# Altium PCB PCB1.PcbDoc (part 5 of 6) (continued)
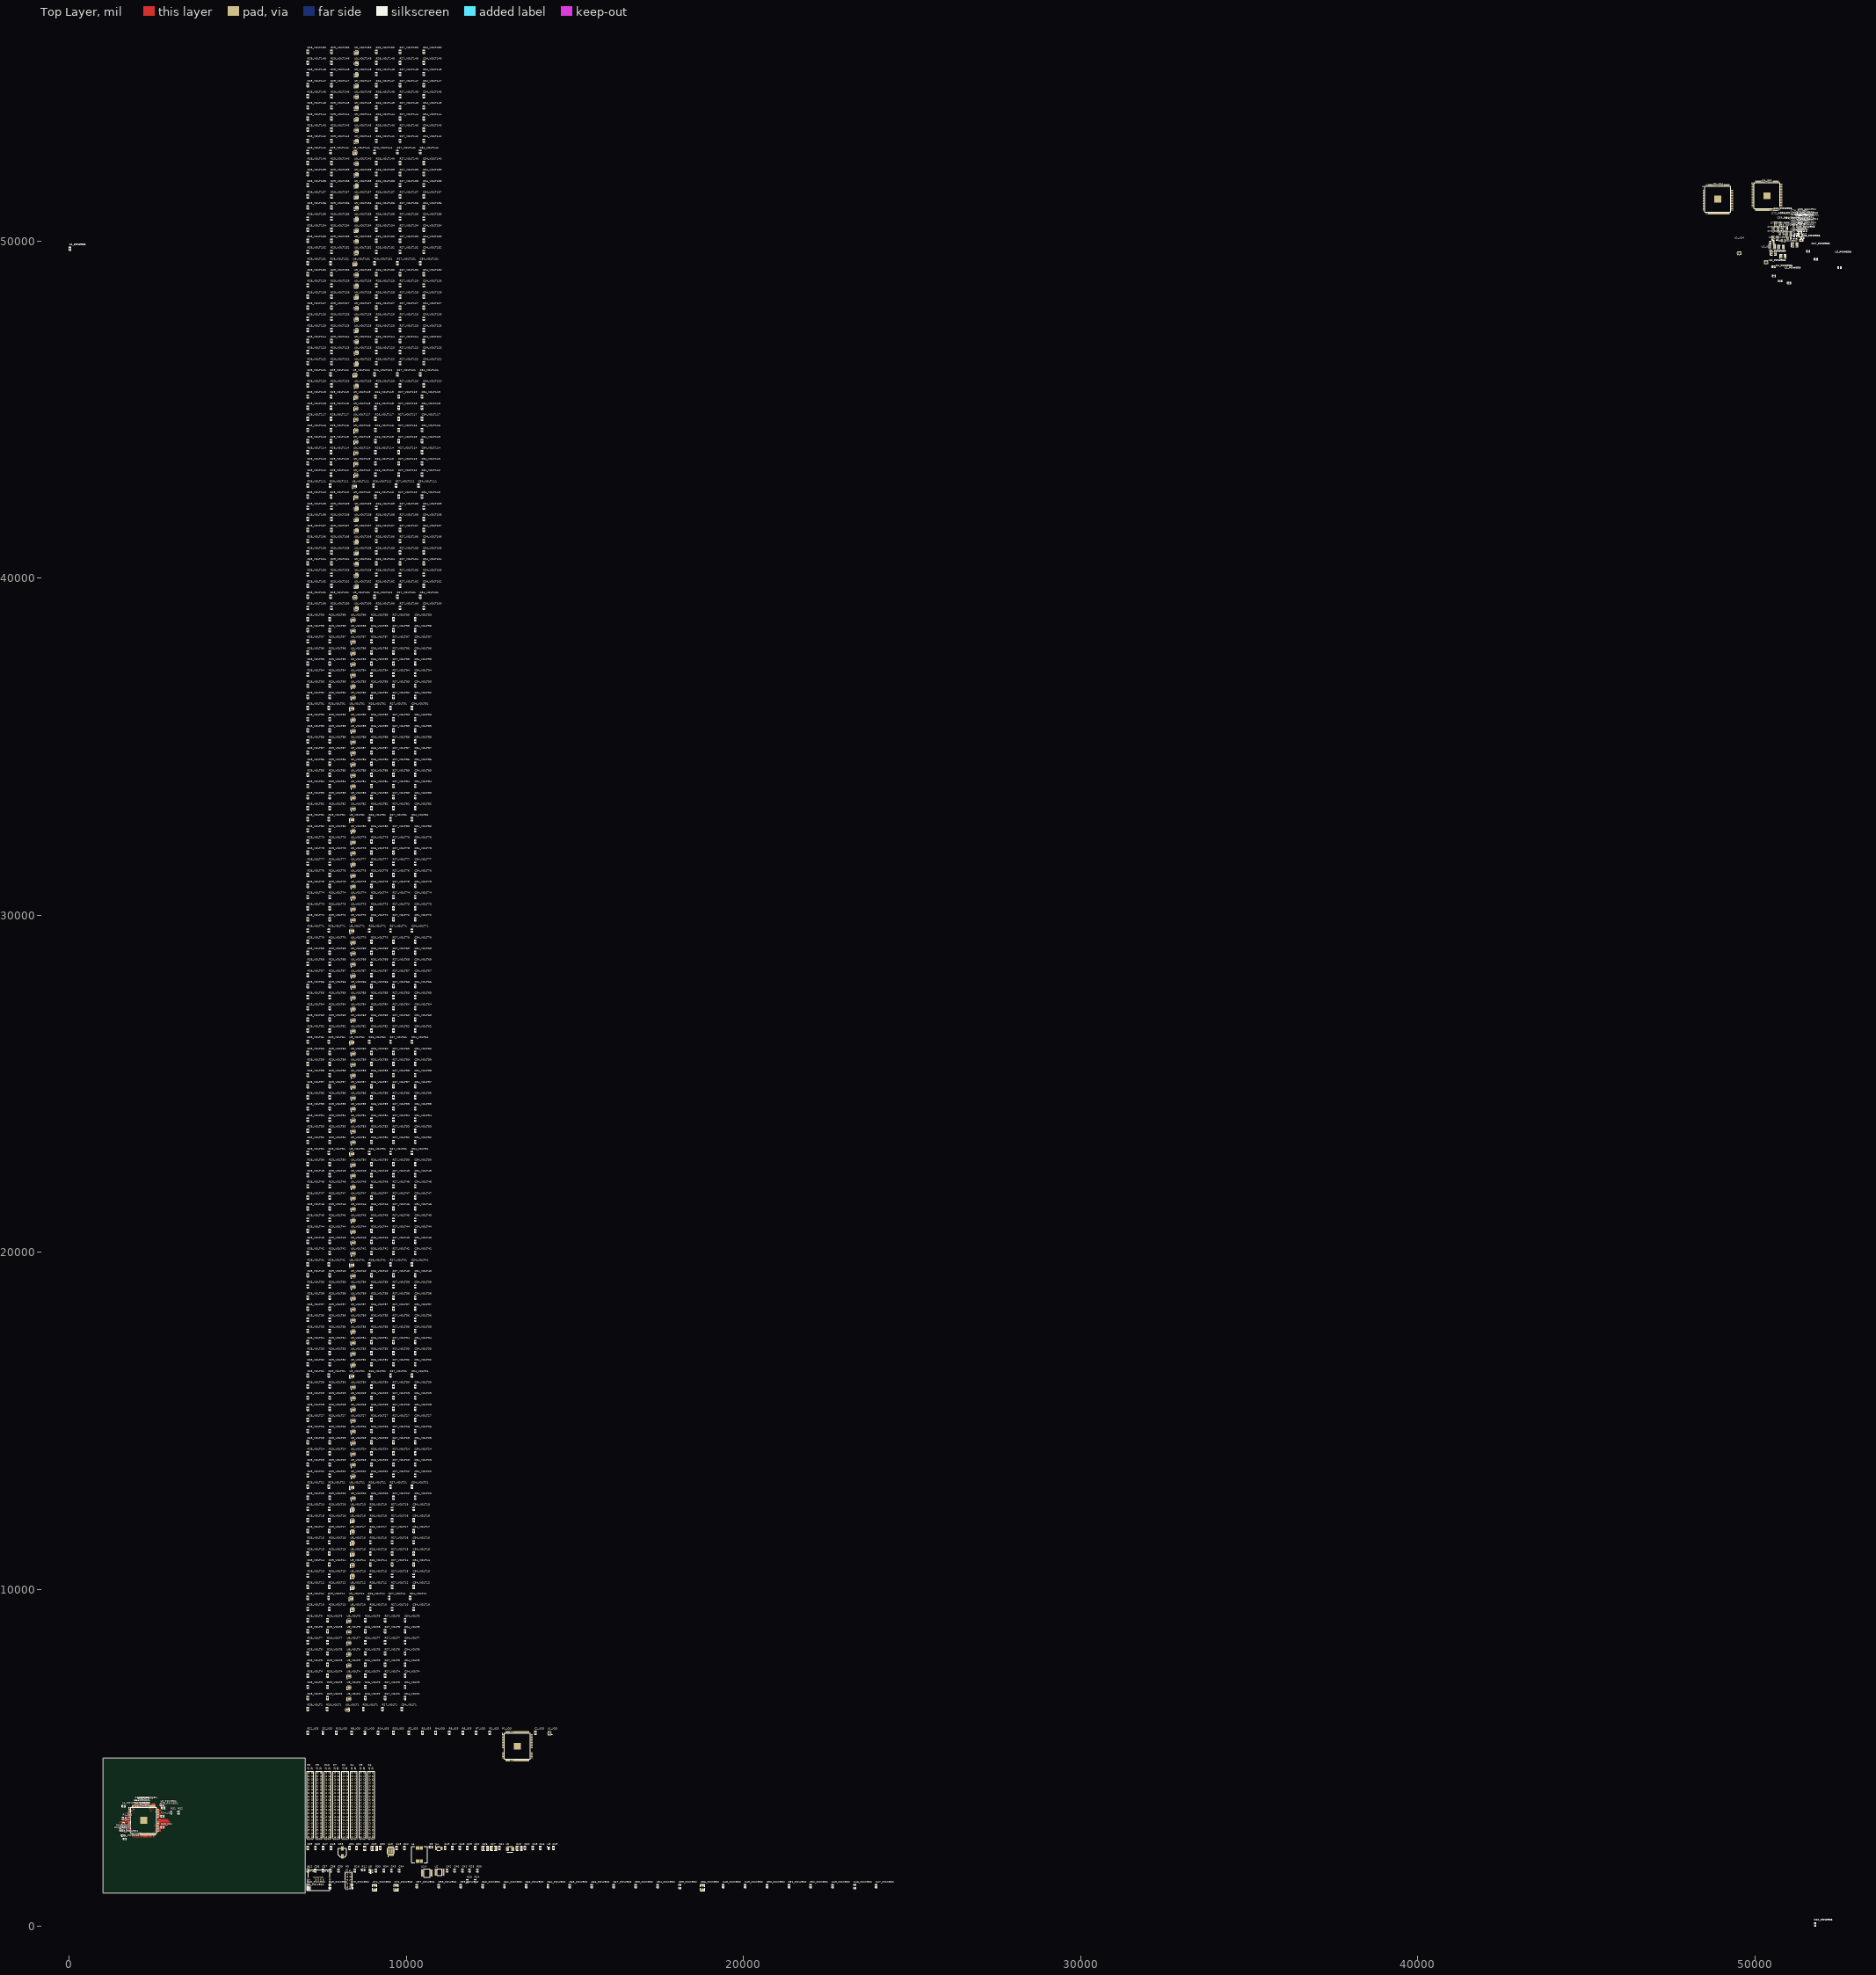
[diagram p0: Top Layer view]
## Nets (pads, with @x,y where several pads share a name; then routed paths per layer and width w, separated by ;. In a path a pad name is that pad's centre, name@x,y a point inside that pad or via, vN(x,y) a via of type N, cw(c..) or ccw(c..) an arc to the next point about the centre after c; other vN are vias at no path point) (continued)
NetR27_VOLT71_1: R27_VOLT71.1 U9_VOLT71.7
NetR27_VOLT72_1: R27_VOLT72.1 U9_VOLT72.7
NetR27_VOLT73_1: R27_VOLT73.1 U9_VOLT73.7
NetR27_VOLT74_1: R27_VOLT74.1 U9_VOLT74.7
NetR27_VOLT75_1: R27_VOLT75.1 U9_VOLT75.7
NetR27_VOLT76_1: R27_VOLT76.1 U9_VOLT76.7
NetR27_VOLT77_1: R27_VOLT77.1 U9_VOLT77.7
NetR27_VOLT78_1: R27_VOLT78.1 U9_VOLT78.7
NetR27_VOLT79_1: R27_VOLT79.1 U9_VOLT79.7
NetR27_VOLT80_1: R27_VOLT80.1 U9_VOLT80.7
NetR27_VOLT81_1: R27_VOLT81.1 U9_VOLT81.7
NetR27_VOLT82_1: R27_VOLT82.1 U9_VOLT82.7
NetR27_VOLT83_1: R27_VOLT83.1 U9_VOLT83.7
NetR27_VOLT84_1: R27_VOLT84.1 U9_VOLT84.7
NetR27_VOLT85_1: R27_VOLT85.1 U9_VOLT85.7
NetR27_VOLT86_1: R27_VOLT86.1 U9_VOLT86.7
NetR27_VOLT87_1: R27_VOLT87.1 U9_VOLT87.7
NetR27_VOLT88_1: R27_VOLT88.1 U9_VOLT88.7
NetR27_VOLT89_1: R27_VOLT89.1 U9_VOLT89.7
NetR27_VOLT90_1: R27_VOLT90.1 U9_VOLT90.7
NetR27_VOLT91_1: R27_VOLT91.1 U9_VOLT91.7
NetR27_VOLT92_1: R27_VOLT92.1 U9_VOLT92.7
NetR27_VOLT93_1: R27_VOLT93.1 U9_VOLT93.7
NetR27_VOLT94_1: R27_VOLT94.1 U9_VOLT94.7
NetR27_VOLT95_1: R27_VOLT95.1 U9_VOLT95.7
NetR27_VOLT96_1: R27_VOLT96.1 U9_VOLT96.7
NetR27_VOLT97_1: R27_VOLT97.1 U9_VOLT97.7
NetR27_VOLT98_1: R27_VOLT98.1 U9_VOLT98.7
NetR27_VOLT99_1: R27_VOLT99.1 U9_VOLT99.7
NetR27_VOLT100_1: R27_VOLT100.1 U9_VOLT100.7
NetR27_VOLT101_1: R27_VOLT101.1 U9_VOLT101.7
NetR27_VOLT102_1: R27_VOLT102.1 U9_VOLT102.7
NetR27_VOLT103_1: R27_VOLT103.1 U9_VOLT103.7
NetR27_VOLT104_1: R27_VOLT104.1 U9_VOLT104.7
NetR27_VOLT105_1: R27_VOLT105.1 U9_VOLT105.7
NetR27_VOLT106_1: R27_VOLT106.1 U9_VOLT106.7
NetR27_VOLT107_1: R27_VOLT107.1 U9_VOLT107.7
NetR27_VOLT108_1: R27_VOLT108.1 U9_VOLT108.7
NetR27_VOLT109_1: R27_VOLT109.1 U9_VOLT109.7
NetR27_VOLT110_1: R27_VOLT110.1 U9_VOLT110.7
NetR27_VOLT111_1: R27_VOLT111.1 U9_VOLT111.7
NetR27_VOLT112_1: R27_VOLT112.1 U9_VOLT112.7
NetR27_VOLT113_1: R27_VOLT113.1 U9_VOLT113.7
NetR27_VOLT114_1: R27_VOLT114.1 U9_VOLT114.7
NetR27_VOLT115_1: R27_VOLT115.1 U9_VOLT115.7
NetR27_VOLT116_1: R27_VOLT116.1 U9_VOLT116.7
NetR27_VOLT117_1: R27_VOLT117.1 U9_VOLT117.7
NetR27_VOLT118_1: R27_VOLT118.1 U9_VOLT118.7
NetR27_VOLT119_1: R27_VOLT119.1 U9_VOLT119.7
NetR27_VOLT120_1: R27_VOLT120.1 U9_VOLT120.7
NetR27_VOLT121_1: R27_VOLT121.1 U9_VOLT121.7
NetR27_VOLT122_1: R27_VOLT122.1 U9_VOLT122.7
NetR27_VOLT123_1: R27_VOLT123.1 U9_VOLT123.7
NetR27_VOLT124_1: R27_VOLT124.1 U9_VOLT124.7
NetR27_VOLT125_1: R27_VOLT125.1 U9_VOLT125.7
NetR27_VOLT126_1: R27_VOLT126.1 U9_VOLT126.7
NetR27_VOLT127_1: R27_VOLT127.1 U9_VOLT127.7
NetR27_VOLT128_1: R27_VOLT128.1 U9_VOLT128.7
NetR27_VOLT129_1: R27_VOLT129.1 U9_VOLT129.7
NetR27_VOLT130_1: R27_VOLT130.1 U9_VOLT130.7
NetR27_VOLT131_1: R27_VOLT131.1 U9_VOLT131.7
NetR27_VOLT132_1: R27_VOLT132.1 U9_VOLT132.7
NetR27_VOLT133_1: R27_VOLT133.1 U9_VOLT133.7
NetR27_VOLT134_1: R27_VOLT134.1 U9_VOLT134.7
NetR27_VOLT135_1: R27_VOLT135.1 U9_VOLT135.7
NetR27_VOLT136_1: R27_VOLT136.1 U9_VOLT136.7
NetR27_VOLT137_1: R27_VOLT137.1 U9_VOLT137.7
NetR27_VOLT138_1: R27_VOLT138.1 U9_VOLT138.7
NetR27_VOLT139_1: R27_VOLT139.1 U9_VOLT139.7
NetR27_VOLT140_1: R27_VOLT140.1 U9_VOLT140.7
NetR27_VOLT141_1: R27_VOLT141.1 U9_VOLT141.7
NetR27_VOLT142_1: R27_VOLT142.1 U9_VOLT142.7
NetR27_VOLT143_1: R27_VOLT143.1 U9_VOLT143.7
NetR27_VOLT144_1: R27_VOLT144.1 U9_VOLT144.7
NetR27_VOLT145_1: R27_VOLT145.1 U9_VOLT145.7
NetR27_VOLT146_1: R27_VOLT146.1 U9_VOLT146.7
NetR27_VOLT147_1: R27_VOLT147.1 U9_VOLT147.7
NetR27_VOLT148_1: R27_VOLT148.1 U9_VOLT148.7
NetR27_VOLT149_1: R27_VOLT149.1 U9_VOLT149.7
NetR27_VOLT150_1: R27_VOLT150.1 U9_VOLT150.7
NetR28_VOLT1_2: R28_VOLT1.2 U9_VOLT1.4
NetR28_VOLT2_2: R28_VOLT2.2 U9_VOLT2.4
NetR28_VOLT3_2: R28_VOLT3.2 U9_VOLT3.4
NetR28_VOLT4_2: R28_VOLT4.2 U9_VOLT4.4
NetR28_VOLT5_2: R28_VOLT5.2 U9_VOLT5.4
NetR28_VOLT6_2: R28_VOLT6.2 U9_VOLT6.4
NetR28_VOLT7_2: R28_VOLT7.2 U9_VOLT7.4
NetR28_VOLT8_2: R28_VOLT8.2 U9_VOLT8.4
NetR28_VOLT9_2: R28_VOLT9.2 U9_VOLT9.4
NetR28_VOLT10_2: R28_VOLT10.2 U9_VOLT10.4
NetR28_VOLT11_2: R28_VOLT11.2 U9_VOLT11.4
NetR28_VOLT12_2: R28_VOLT12.2 U9_VOLT12.4
NetR28_VOLT13_2: R28_VOLT13.2 U9_VOLT13.4
NetR28_VOLT14_2: R28_VOLT14.2 U9_VOLT14.4
NetR28_VOLT15_2: R28_VOLT15.2 U9_VOLT15.4
NetR28_VOLT16_2: R28_VOLT16.2 U9_VOLT16.4
NetR28_VOLT17_2: R28_VOLT17.2 U9_VOLT17.4
NetR28_VOLT18_2: R28_VOLT18.2 U9_VOLT18.4
NetR28_VOLT19_2: R28_VOLT19.2 U9_VOLT19.4
NetR28_VOLT20_2: R28_VOLT20.2 U9_VOLT20.4
NetR28_VOLT21_2: R28_VOLT21.2 U9_VOLT21.4
NetR28_VOLT22_2: R28_VOLT22.2 U9_VOLT22.4
NetR28_VOLT23_2: R28_VOLT23.2 U9_VOLT23.4
NetR28_VOLT24_2: R28_VOLT24.2 U9_VOLT24.4
NetR28_VOLT25_2: R28_VOLT25.2 U9_VOLT25.4
NetR28_VOLT26_2: R28_VOLT26.2 U9_VOLT26.4
NetR28_VOLT27_2: R28_VOLT27.2 U9_VOLT27.4
NetR28_VOLT28_2: R28_VOLT28.2 U9_VOLT28.4
NetR28_VOLT29_2: R28_VOLT29.2 U9_VOLT29.4
NetR28_VOLT30_2: R28_VOLT30.2 U9_VOLT30.4
NetR28_VOLT31_2: R28_VOLT31.2 U9_VOLT31.4
NetR28_VOLT32_2: R28_VOLT32.2 U9_VOLT32.4
NetR28_VOLT33_2: R28_VOLT33.2 U9_VOLT33.4
NetR28_VOLT34_2: R28_VOLT34.2 U9_VOLT34.4
NetR28_VOLT35_2: R28_VOLT35.2 U9_VOLT35.4
NetR28_VOLT36_2: R28_VOLT36.2 U9_VOLT36.4
NetR28_VOLT37_2: R28_VOLT37.2 U9_VOLT37.4
NetR28_VOLT38_2: R28_VOLT38.2 U9_VOLT38.4
NetR28_VOLT39_2: R28_VOLT39.2 U9_VOLT39.4
NetR28_VOLT40_2: R28_VOLT40.2 U9_VOLT40.4
NetR28_VOLT41_2: R28_VOLT41.2 U9_VOLT41.4
NetR28_VOLT42_2: R28_VOLT42.2 U9_VOLT42.4
NetR28_VOLT43_2: R28_VOLT43.2 U9_VOLT43.4
NetR28_VOLT44_2: R28_VOLT44.2 U9_VOLT44.4
NetR28_VOLT45_2: R28_VOLT45.2 U9_VOLT45.4
NetR28_VOLT46_2: R28_VOLT46.2 U9_VOLT46.4
NetR28_VOLT47_2: R28_VOLT47.2 U9_VOLT47.4
NetR28_VOLT48_2: R28_VOLT48.2 U9_VOLT48.4
NetR28_VOLT49_2: R28_VOLT49.2 U9_VOLT49.4
NetR28_VOLT50_2: R28_VOLT50.2 U9_VOLT50.4
NetR28_VOLT51_2: R28_VOLT51.2 U9_VOLT51.4
NetR28_VOLT52_2: R28_VOLT52.2 U9_VOLT52.4
NetR28_VOLT53_2: R28_VOLT53.2 U9_VOLT53.4
NetR28_VOLT54_2: R28_VOLT54.2 U9_VOLT54.4
NetR28_VOLT55_2: R28_VOLT55.2 U9_VOLT55.4
NetR28_VOLT56_2: R28_VOLT56.2 U9_VOLT56.4
NetR28_VOLT57_2: R28_VOLT57.2 U9_VOLT57.4
NetR28_VOLT58_2: R28_VOLT58.2 U9_VOLT58.4
NetR28_VOLT59_2: R28_VOLT59.2 U9_VOLT59.4
NetR28_VOLT60_2: R28_VOLT60.2 U9_VOLT60.4
NetR28_VOLT61_2: R28_VOLT61.2 U9_VOLT61.4
NetR28_VOLT62_2: R28_VOLT62.2 U9_VOLT62.4
NetR28_VOLT63_2: R28_VOLT63.2 U9_VOLT63.4
NetR28_VOLT64_2: R28_VOLT64.2 U9_VOLT64.4
NetR28_VOLT65_2: R28_VOLT65.2 U9_VOLT65.4
NetR28_VOLT66_2: R28_VOLT66.2 U9_VOLT66.4
NetR28_VOLT67_2: R28_VOLT67.2 U9_VOLT67.4
NetR28_VOLT68_2: R28_VOLT68.2 U9_VOLT68.4
NetR28_VOLT69_2: R28_VOLT69.2 U9_VOLT69.4
NetR28_VOLT70_2: R28_VOLT70.2 U9_VOLT70.4
NetR28_VOLT71_2: R28_VOLT71.2 U9_VOLT71.4
NetR28_VOLT72_2: R28_VOLT72.2 U9_VOLT72.4
NetR28_VOLT73_2: R28_VOLT73.2 U9_VOLT73.4
NetR28_VOLT74_2: R28_VOLT74.2 U9_VOLT74.4
NetR28_VOLT75_2: R28_VOLT75.2 U9_VOLT75.4
NetR28_VOLT76_2: R28_VOLT76.2 U9_VOLT76.4
NetR28_VOLT77_2: R28_VOLT77.2 U9_VOLT77.4
NetR28_VOLT78_2: R28_VOLT78.2 U9_VOLT78.4
NetR28_VOLT79_2: R28_VOLT79.2 U9_VOLT79.4
NetR28_VOLT80_2: R28_VOLT80.2 U9_VOLT80.4
NetR28_VOLT81_2: R28_VOLT81.2 U9_VOLT81.4
NetR28_VOLT82_2: R28_VOLT82.2 U9_VOLT82.4
NetR28_VOLT83_2: R28_VOLT83.2 U9_VOLT83.4
NetR28_VOLT84_2: R28_VOLT84.2 U9_VOLT84.4
NetR28_VOLT85_2: R28_VOLT85.2 U9_VOLT85.4
NetR28_VOLT86_2: R28_VOLT86.2 U9_VOLT86.4
NetR28_VOLT87_2: R28_VOLT87.2 U9_VOLT87.4
NetR28_VOLT88_2: R28_VOLT88.2 U9_VOLT88.4
NetR28_VOLT89_2: R28_VOLT89.2 U9_VOLT89.4
NetR28_VOLT90_2: R28_VOLT90.2 U9_VOLT90.4
NetR28_VOLT91_2: R28_VOLT91.2 U9_VOLT91.4
NetR28_VOLT92_2: R28_VOLT92.2 U9_VOLT92.4
NetR28_VOLT93_2: R28_VOLT93.2 U9_VOLT93.4
NetR28_VOLT94_2: R28_VOLT94.2 U9_VOLT94.4
NetR28_VOLT95_2: R28_VOLT95.2 U9_VOLT95.4
NetR28_VOLT96_2: R28_VOLT96.2 U9_VOLT96.4
NetR28_VOLT97_2: R28_VOLT97.2 U9_VOLT97.4
NetR28_VOLT98_2: R28_VOLT98.2 U9_VOLT98.4
NetR28_VOLT99_2: R28_VOLT99.2 U9_VOLT99.4
NetR28_VOLT100_2: R28_VOLT100.2 U9_VOLT100.4
NetR28_VOLT101_2: R28_VOLT101.2 U9_VOLT101.4
NetR28_VOLT102_2: R28_VOLT102.2 U9_VOLT102.4
NetR28_VOLT103_2: R28_VOLT103.2 U9_VOLT103.4
NetR28_VOLT104_2: R28_VOLT104.2 U9_VOLT104.4
NetR28_VOLT105_2: R28_VOLT105.2 U9_VOLT105.4
NetR28_VOLT106_2: R28_VOLT106.2 U9_VOLT106.4
NetR28_VOLT107_2: R28_VOLT107.2 U9_VOLT107.4
NetR28_VOLT108_2: R28_VOLT108.2 U9_VOLT108.4
NetR28_VOLT109_2: R28_VOLT109.2 U9_VOLT109.4
NetR28_VOLT110_2: R28_VOLT110.2 U9_VOLT110.4
NetR28_VOLT111_2: R28_VOLT111.2 U9_VOLT111.4
NetR28_VOLT112_2: R28_VOLT112.2 U9_VOLT112.4
NetR28_VOLT113_2: R28_VOLT113.2 U9_VOLT113.4
NetR28_VOLT114_2: R28_VOLT114.2 U9_VOLT114.4
NetR28_VOLT115_2: R28_VOLT115.2 U9_VOLT115.4
NetR28_VOLT116_2: R28_VOLT116.2 U9_VOLT116.4
NetR28_VOLT117_2: R28_VOLT117.2 U9_VOLT117.4
NetR28_VOLT118_2: R28_VOLT118.2 U9_VOLT118.4
NetR28_VOLT119_2: R28_VOLT119.2 U9_VOLT119.4
NetR28_VOLT120_2: R28_VOLT120.2 U9_VOLT120.4
NetR28_VOLT121_2: R28_VOLT121.2 U9_VOLT121.4
NetR28_VOLT122_2: R28_VOLT122.2 U9_VOLT122.4
NetR28_VOLT123_2: R28_VOLT123.2 U9_VOLT123.4
NetR28_VOLT124_2: R28_VOLT124.2 U9_VOLT124.4
NetR28_VOLT125_2: R28_VOLT125.2 U9_VOLT125.4
NetR28_VOLT126_2: R28_VOLT126.2 U9_VOLT126.4
NetR28_VOLT127_2: R28_VOLT127.2 U9_VOLT127.4
NetR28_VOLT128_2: R28_VOLT128.2 U9_VOLT128.4
NetR28_VOLT129_2: R28_VOLT129.2 U9_VOLT129.4
NetR28_VOLT130_2: R28_VOLT130.2 U9_VOLT130.4
NetR28_VOLT131_2: R28_VOLT131.2 U9_VOLT131.4
NetR28_VOLT132_2: R28_VOLT132.2 U9_VOLT132.4
NetR28_VOLT133_2: R28_VOLT133.2 U9_VOLT133.4
NetR28_VOLT134_2: R28_VOLT134.2 U9_VOLT134.4
NetR28_VOLT135_2: R28_VOLT135.2 U9_VOLT135.4
NetR28_VOLT136_2: R28_VOLT136.2 U9_VOLT136.4
NetR28_VOLT137_2: R28_VOLT137.2 U9_VOLT137.4
NetR28_VOLT138_2: R28_VOLT138.2 U9_VOLT138.4
NetR28_VOLT139_2: R28_VOLT139.2 U9_VOLT139.4
NetR28_VOLT140_2: R28_VOLT140.2 U9_VOLT140.4
NetR28_VOLT141_2: R28_VOLT141.2 U9_VOLT141.4
NetR28_VOLT142_2: R28_VOLT142.2 U9_VOLT142.4
NetR28_VOLT143_2: R28_VOLT143.2 U9_VOLT143.4
NetR28_VOLT144_2: R28_VOLT144.2 U9_VOLT144.4
NetR28_VOLT145_2: R28_VOLT145.2 U9_VOLT145.4
NetR28_VOLT146_2: R28_VOLT146.2 U9_VOLT146.4
NetR28_VOLT147_2: R28_VOLT147.2 U9_VOLT147.4
NetR28_VOLT148_2: R28_VOLT148.2 U9_VOLT148.4
NetR28_VOLT149_2: R28_VOLT149.2 U9_VOLT149.4
NetR28_VOLT150_2: R28_VOLT150.2 U9_VOLT150.4
NetR29_VOLT1_1: R29_VOLT1.1 U9_VOLT1.5
NetR29_VOLT2_1: R29_VOLT2.1 U9_VOLT2.5
NetR29_VOLT3_1: R29_VOLT3.1 U9_VOLT3.5
NetR29_VOLT4_1: R29_VOLT4.1 U9_VOLT4.5
NetR29_VOLT5_1: R29_VOLT5.1 U9_VOLT5.5
NetR29_VOLT6_1: R29_VOLT6.1 U9_VOLT6.5
NetR29_VOLT7_1: R29_VOLT7.1 U9_VOLT7.5
NetR29_VOLT8_1: R29_VOLT8.1 U9_VOLT8.5
NetR29_VOLT9_1: R29_VOLT9.1 U9_VOLT9.5
NetR29_VOLT10_1: R29_VOLT10.1 U9_VOLT10.5
NetR29_VOLT11_1: R29_VOLT11.1 U9_VOLT11.5
NetR29_VOLT12_1: R29_VOLT12.1 U9_VOLT12.5
NetR29_VOLT13_1: R29_VOLT13.1 U9_VOLT13.5
NetR29_VOLT14_1: R29_VOLT14.1 U9_VOLT14.5
NetR29_VOLT15_1: R29_VOLT15.1 U9_VOLT15.5
NetR29_VOLT16_1: R29_VOLT16.1 U9_VOLT16.5
NetR29_VOLT17_1: R29_VOLT17.1 U9_VOLT17.5
NetR29_VOLT18_1: R29_VOLT18.1 U9_VOLT18.5
NetR29_VOLT19_1: R29_VOLT19.1 U9_VOLT19.5
NetR29_VOLT20_1: R29_VOLT20.1 U9_VOLT20.5
NetR29_VOLT21_1: R29_VOLT21.1 U9_VOLT21.5
NetR29_VOLT22_1: R29_VOLT22.1 U9_VOLT22.5
NetR29_VOLT23_1: R29_VOLT23.1 U9_VOLT23.5
NetR29_VOLT24_1: R29_VOLT24.1 U9_VOLT24.5
NetR29_VOLT25_1: R29_VOLT25.1 U9_VOLT25.5
NetR29_VOLT26_1: R29_VOLT26.1 U9_VOLT26.5
NetR29_VOLT27_1: R29_VOLT27.1 U9_VOLT27.5
NetR29_VOLT28_1: R29_VOLT28.1 U9_VOLT28.5
NetR29_VOLT29_1: R29_VOLT29.1 U9_VOLT29.5
NetR29_VOLT30_1: R29_VOLT30.1 U9_VOLT30.5
NetR29_VOLT31_1: R29_VOLT31.1 U9_VOLT31.5
NetR29_VOLT32_1: R29_VOLT32.1 U9_VOLT32.5
NetR29_VOLT33_1: R29_VOLT33.1 U9_VOLT33.5
NetR29_VOLT34_1: R29_VOLT34.1 U9_VOLT34.5
NetR29_VOLT35_1: R29_VOLT35.1 U9_VOLT35.5
NetR29_VOLT36_1: R29_VOLT36.1 U9_VOLT36.5
NetR29_VOLT37_1: R29_VOLT37.1 U9_VOLT37.5
NetR29_VOLT38_1: R29_VOLT38.1 U9_VOLT38.5
NetR29_VOLT39_1: R29_VOLT39.1 U9_VOLT39.5
NetR29_VOLT40_1: R29_VOLT40.1 U9_VOLT40.5
NetR29_VOLT41_1: R29_VOLT41.1 U9_VOLT41.5
NetR29_VOLT42_1: R29_VOLT42.1 U9_VOLT42.5
NetR29_VOLT43_1: R29_VOLT43.1 U9_VOLT43.5
NetR29_VOLT44_1: R29_VOLT44.1 U9_VOLT44.5
NetR29_VOLT45_1: R29_VOLT45.1 U9_VOLT45.5
NetR29_VOLT46_1: R29_VOLT46.1 U9_VOLT46.5
NetR29_VOLT47_1: R29_VOLT47.1 U9_VOLT47.5
NetR29_VOLT48_1: R29_VOLT48.1 U9_VOLT48.5
NetR29_VOLT49_1: R29_VOLT49.1 U9_VOLT49.5
NetR29_VOLT50_1: R29_VOLT50.1 U9_VOLT50.5
NetR29_VOLT51_1: R29_VOLT51.1 U9_VOLT51.5
NetR29_VOLT52_1: R29_VOLT52.1 U9_VOLT52.5
NetR29_VOLT53_1: R29_VOLT53.1 U9_VOLT53.5
NetR29_VOLT54_1: R29_VOLT54.1 U9_VOLT54.5
NetR29_VOLT55_1: R29_VOLT55.1 U9_VOLT55.5
NetR29_VOLT56_1: R29_VOLT56.1 U9_VOLT56.5
NetR29_VOLT57_1: R29_VOLT57.1 U9_VOLT57.5
NetR29_VOLT58_1: R29_VOLT58.1 U9_VOLT58.5
NetR29_VOLT59_1: R29_VOLT59.1 U9_VOLT59.5
NetR29_VOLT60_1: R29_VOLT60.1 U9_VOLT60.5
NetR29_VOLT61_1: R29_VOLT61.1 U9_VOLT61.5
NetR29_VOLT62_1: R29_VOLT62.1 U9_VOLT62.5
NetR29_VOLT63_1: R29_VOLT63.1 U9_VOLT63.5
NetR29_VOLT64_1: R29_VOLT64.1 U9_VOLT64.5
NetR29_VOLT65_1: R29_VOLT65.1 U9_VOLT65.5
NetR29_VOLT66_1: R29_VOLT66.1 U9_VOLT66.5
NetR29_VOLT67_1: R29_VOLT67.1 U9_VOLT67.5
NetR29_VOLT68_1: R29_VOLT68.1 U9_VOLT68.5
NetR29_VOLT69_1: R29_VOLT69.1 U9_VOLT69.5
NetR29_VOLT70_1: R29_VOLT70.1 U9_VOLT70.5
NetR29_VOLT71_1: R29_VOLT71.1 U9_VOLT71.5
NetR29_VOLT72_1: R29_VOLT72.1 U9_VOLT72.5
NetR29_VOLT73_1: R29_VOLT73.1 U9_VOLT73.5
NetR29_VOLT74_1: R29_VOLT74.1 U9_VOLT74.5
NetR29_VOLT75_1: R29_VOLT75.1 U9_VOLT75.5
NetR29_VOLT76_1: R29_VOLT76.1 U9_VOLT76.5
NetR29_VOLT77_1: R29_VOLT77.1 U9_VOLT77.5
NetR29_VOLT78_1: R29_VOLT78.1 U9_VOLT78.5
NetR29_VOLT79_1: R29_VOLT79.1 U9_VOLT79.5
NetR29_VOLT80_1: R29_VOLT80.1 U9_VOLT80.5
NetR29_VOLT81_1: R29_VOLT81.1 U9_VOLT81.5
NetR29_VOLT82_1: R29_VOLT82.1 U9_VOLT82.5
NetR29_VOLT83_1: R29_VOLT83.1 U9_VOLT83.5
NetR29_VOLT84_1: R29_VOLT84.1 U9_VOLT84.5
NetR29_VOLT85_1: R29_VOLT85.1 U9_VOLT85.5
NetR29_VOLT86_1: R29_VOLT86.1 U9_VOLT86.5
NetR29_VOLT87_1: R29_VOLT87.1 U9_VOLT87.5
NetR29_VOLT88_1: R29_VOLT88.1 U9_VOLT88.5
NetR29_VOLT89_1: R29_VOLT89.1 U9_VOLT89.5
NetR29_VOLT90_1: R29_VOLT90.1 U9_VOLT90.5
NetR29_VOLT91_1: R29_VOLT91.1 U9_VOLT91.5
NetR29_VOLT92_1: R29_VOLT92.1 U9_VOLT92.5
NetR29_VOLT93_1: R29_VOLT93.1 U9_VOLT93.5
NetR29_VOLT94_1: R29_VOLT94.1 U9_VOLT94.5
NetR29_VOLT95_1: R29_VOLT95.1 U9_VOLT95.5
NetR29_VOLT96_1: R29_VOLT96.1 U9_VOLT96.5
NetR29_VOLT97_1: R29_VOLT97.1 U9_VOLT97.5
NetR29_VOLT98_1: R29_VOLT98.1 U9_VOLT98.5
NetR29_VOLT99_1: R29_VOLT99.1 U9_VOLT99.5
NetR29_VOLT100_1: R29_VOLT100.1 U9_VOLT100.5
NetR29_VOLT101_1: R29_VOLT101.1 U9_VOLT101.5
NetR29_VOLT102_1: R29_VOLT102.1 U9_VOLT102.5
NetR29_VOLT103_1: R29_VOLT103.1 U9_VOLT103.5
NetR29_VOLT104_1: R29_VOLT104.1 U9_VOLT104.5
NetR29_VOLT105_1: R29_VOLT105.1 U9_VOLT105.5
NetR29_VOLT106_1: R29_VOLT106.1 U9_VOLT106.5
NetR29_VOLT107_1: R29_VOLT107.1 U9_VOLT107.5
NetR29_VOLT108_1: R29_VOLT108.1 U9_VOLT108.5
NetR29_VOLT109_1: R29_VOLT109.1 U9_VOLT109.5
NetR29_VOLT110_1: R29_VOLT110.1 U9_VOLT110.5
NetR29_VOLT111_1: R29_VOLT111.1 U9_VOLT111.5
NetR29_VOLT112_1: R29_VOLT112.1 U9_VOLT112.5
NetR29_VOLT113_1: R29_VOLT113.1 U9_VOLT113.5
NetR29_VOLT114_1: R29_VOLT114.1 U9_VOLT114.5
NetR29_VOLT115_1: R29_VOLT115.1 U9_VOLT115.5
NetR29_VOLT116_1: R29_VOLT116.1 U9_VOLT116.5
NetR29_VOLT117_1: R29_VOLT117.1 U9_VOLT117.5
NetR29_VOLT118_1: R29_VOLT118.1 U9_VOLT118.5
NetR29_VOLT119_1: R29_VOLT119.1 U9_VOLT119.5
NetR29_VOLT120_1: R29_VOLT120.1 U9_VOLT120.5
NetR29_VOLT121_1: R29_VOLT121.1 U9_VOLT121.5
NetR29_VOLT122_1: R29_VOLT122.1 U9_VOLT122.5
NetR29_VOLT123_1: R29_VOLT123.1 U9_VOLT123.5
NetR29_VOLT124_1: R29_VOLT124.1 U9_VOLT124.5
NetR29_VOLT125_1: R29_VOLT125.1 U9_VOLT125.5
NetR29_VOLT126_1: R29_VOLT126.1 U9_VOLT126.5
NetR29_VOLT127_1: R29_VOLT127.1 U9_VOLT127.5
NetR29_VOLT128_1: R29_VOLT128.1 U9_VOLT128.5
NetR29_VOLT129_1: R29_VOLT129.1 U9_VOLT129.5
NetR29_VOLT130_1: R29_VOLT130.1 U9_VOLT130.5
NetR29_VOLT131_1: R29_VOLT131.1 U9_VOLT131.5
NetR29_VOLT132_1: R29_VOLT132.1 U9_VOLT132.5
NetR29_VOLT133_1: R29_VOLT133.1 U9_VOLT133.5
NetR29_VOLT134_1: R29_VOLT134.1 U9_VOLT134.5
NetR29_VOLT135_1: R29_VOLT135.1 U9_VOLT135.5
NetR29_VOLT136_1: R29_VOLT136.1 U9_VOLT136.5
NetR29_VOLT137_1: R29_VOLT137.1 U9_VOLT137.5
NetR29_VOLT138_1: R29_VOLT138.1 U9_VOLT138.5
NetR29_VOLT139_1: R29_VOLT139.1 U9_VOLT139.5
NetR29_VOLT140_1: R29_VOLT140.1 U9_VOLT140.5
NetR29_VOLT141_1: R29_VOLT141.1 U9_VOLT141.5
NetR29_VOLT142_1: R29_VOLT142.1 U9_VOLT142.5
NetR29_VOLT143_1: R29_VOLT143.1 U9_VOLT143.5
NetR29_VOLT144_1: R29_VOLT144.1 U9_VOLT144.5
NetR29_VOLT145_1: R29_VOLT145.1 U9_VOLT145.5
NetR29_VOLT146_1: R29_VOLT146.1 U9_VOLT146.5
NetR29_VOLT147_1: R29_VOLT147.1 U9_VOLT147.5
NetR29_VOLT148_1: R29_VOLT148.1 U9_VOLT148.5
NetR29_VOLT149_1: R29_VOLT149.1 U9_VOLT149.5
NetR29_VOLT150_1: R29_VOLT150.1 U9_VOLT150.5
NetR47_2: R47.2 U15.8
NetR48_2: R48.2 U15.10
PWR_IN: J1.7 J1.8
RS232_RX: J1.2 U2.8
RS232_TX: J1.1 U2.7
SCL: P1_IO4.97 R14_IO4.1 U4.2
SCL_IO1: P1_IO1.97 R14_IO1.1 | length 108.1
  Top Layer w10: P1_IO1.97@2636.02,3280.2 2730,3280.2 2743.8,3280.2 R14_IO1.1@2744,3280
  other v1: 2730,3281
SCL_IO2: P1_IO2.97 R14_IO2.1
SCL_IO3: P1_IO3.97 R14_IO3.1
SDA: P1_IO4.80 R20_IO4.1 U4.3
SDA_IO1: P1_IO1.80 R20_IO1.1 | length 109.8
  Top Layer w10: P1_IO1.80@2636.02,2945.55 2729,2945.55 2739.55,2945.55 R20_IO1.1@2744,2950
  other v1: 2729,2946
SDA_IO2: P1_IO2.80 R20_IO2.1
SDA_IO3: P1_IO3.80 R20_IO3.1
SHIELD: J1.MH1 J1.MH2
TCK: C36.2 P1_IO1.18 P1_IO2.18 P1_IO3.18 P1_IO4.18 P3.1 R12.2 U8.1 | length 200.4
  Top Layer w7: 1591,3160 1697.6,3160 1699.68,3162.09 P1_IO1.18@1790.51,3162.09
TDI: C39.2 P1_IO4.19 P3.9 R10.2 U8.4
TDI_IO1: P1_IO1.19 P1_IO2.20 | length 193
  Top Layer w7: 1599,3146 1684,3146 1687.6,3142.4 P1_IO1.19@1790.51,3142.4
TDI_IO2: P1_IO2.19 P1_IO3.20
TDI_IO3: P1_IO3.19 P1_IO4.20
TDO: C37.2 P1_IO1.20 P3.3 U8.6 | length 201.2
  Top Layer w7: 1593.2,3132 1678.2,3132 1687.48,3122.72 P1_IO1.20@1790.51,3122.72
TMS: C38.2 P1_IO1.16 P1_IO2.16 P1_IO3.16 P1_IO4.16 P3.5 R11.2 U8.3 | length 225.1
  Top Layer w7: 1571,3188 1686,3188 1699.46,3201.46 P1_IO1.16@1790.51,3201.46
V+: C41.2 U2.2
V-: C44.2 U2.6
V_ENABLE: R22.2 U15.4
V_IN_0_VOLT1: R26_VOLT1.1
V_IN_0_VOLT2: R26_VOLT2.1
V_IN_0_VOLT3: R26_VOLT3.1
V_IN_0_VOLT4: R26_VOLT4.1
V_IN_0_VOLT5: R26_VOLT5.1
V_IN_0_VOLT6: R26_VOLT6.1
V_IN_0_VOLT7: R26_VOLT7.1
V_IN_0_VOLT8: R26_VOLT8.1
V_IN_0_VOLT9: R26_VOLT9.1
V_IN_0_VOLT10: R26_VOLT10.1
V_IN_0_VOLT11: R26_VOLT11.1
V_IN_0_VOLT12: R26_VOLT12.1
V_IN_0_VOLT13: R26_VOLT13.1
V_IN_0_VOLT14: R26_VOLT14.1
V_IN_0_VOLT15: R26_VOLT15.1
V_IN_0_VOLT16: R26_VOLT16.1
V_IN_0_VOLT17: R26_VOLT17.1
V_IN_0_VOLT18: R26_VOLT18.1
V_IN_0_VOLT19: R26_VOLT19.1
V_IN_0_VOLT20: R26_VOLT20.1
V_IN_0_VOLT21: R26_VOLT21.1
V_IN_0_VOLT22: R26_VOLT22.1
V_IN_0_VOLT23: R26_VOLT23.1
V_IN_0_VOLT24: R26_VOLT24.1
V_IN_0_VOLT25: R26_VOLT25.1
V_IN_0_VOLT26: R26_VOLT26.1
V_IN_0_VOLT27: R26_VOLT27.1
V_IN_0_VOLT28: R26_VOLT28.1
V_IN_0_VOLT29: R26_VOLT29.1
V_IN_0_VOLT30: R26_VOLT30.1
V_IN_0_VOLT31: R26_VOLT31.1
V_IN_0_VOLT32: R26_VOLT32.1
V_IN_0_VOLT33: R26_VOLT33.1
V_IN_0_VOLT34: R26_VOLT34.1
V_IN_0_VOLT35: R26_VOLT35.1
V_IN_0_VOLT36: R26_VOLT36.1
V_IN_0_VOLT37: R26_VOLT37.1
V_IN_0_VOLT38: R26_VOLT38.1
V_IN_0_VOLT39: R26_VOLT39.1
V_IN_0_VOLT40: R26_VOLT40.1
V_IN_0_VOLT41: R26_VOLT41.1
V_IN_0_VOLT42: R26_VOLT42.1
V_IN_0_VOLT43: R26_VOLT43.1
V_IN_0_VOLT44: R26_VOLT44.1
V_IN_0_VOLT45: R26_VOLT45.1
V_IN_0_VOLT46: R26_VOLT46.1
V_IN_0_VOLT47: R26_VOLT47.1
V_IN_0_VOLT48: R26_VOLT48.1
V_IN_0_VOLT49: R26_VOLT49.1
V_IN_0_VOLT50: R26_VOLT50.1
V_IN_0_VOLT51: R26_VOLT51.1
V_IN_0_VOLT52: R26_VOLT52.1
V_IN_0_VOLT53: R26_VOLT53.1
V_IN_0_VOLT54: R26_VOLT54.1
V_IN_0_VOLT55: R26_VOLT55.1
V_IN_0_VOLT56: R26_VOLT56.1
V_IN_0_VOLT57: R26_VOLT57.1
V_IN_0_VOLT58: R26_VOLT58.1
V_IN_0_VOLT59: R26_VOLT59.1
V_IN_0_VOLT60: R26_VOLT60.1
V_IN_0_VOLT61: R26_VOLT61.1
V_IN_0_VOLT62: R26_VOLT62.1
V_IN_0_VOLT63: R26_VOLT63.1
V_IN_0_VOLT64: R26_VOLT64.1
V_IN_0_VOLT65: R26_VOLT65.1
V_IN_0_VOLT66: R26_VOLT66.1
V_IN_0_VOLT67: R26_VOLT67.1
V_IN_0_VOLT68: R26_VOLT68.1
V_IN_0_VOLT69: R26_VOLT69.1
V_IN_0_VOLT70: R26_VOLT70.1
V_IN_0_VOLT71: R26_VOLT71.1
V_IN_0_VOLT72: R26_VOLT72.1
V_IN_0_VOLT73: R26_VOLT73.1
V_IN_0_VOLT74: R26_VOLT74.1
V_IN_0_VOLT75: R26_VOLT75.1
V_IN_0_VOLT76: R26_VOLT76.1
V_IN_0_VOLT77: R26_VOLT77.1
V_IN_0_VOLT78: R26_VOLT78.1
V_IN_0_VOLT79: R26_VOLT79.1
V_IN_0_VOLT80: R26_VOLT80.1
V_IN_0_VOLT81: R26_VOLT81.1
V_IN_0_VOLT82: R26_VOLT82.1
V_IN_0_VOLT83: R26_VOLT83.1
V_IN_0_VOLT84: R26_VOLT84.1
V_IN_0_VOLT85: R26_VOLT85.1
V_IN_0_VOLT86: R26_VOLT86.1
V_IN_0_VOLT87: R26_VOLT87.1
V_IN_0_VOLT88: R26_VOLT88.1
V_IN_0_VOLT89: R26_VOLT89.1
V_IN_0_VOLT90: R26_VOLT90.1
V_IN_0_VOLT91: R26_VOLT91.1
V_IN_0_VOLT92: R26_VOLT92.1
V_IN_0_VOLT93: R26_VOLT93.1
V_IN_0_VOLT94: R26_VOLT94.1
V_IN_0_VOLT95: R26_VOLT95.1
V_IN_0_VOLT96: R26_VOLT96.1
V_IN_0_VOLT97: R26_VOLT97.1
V_IN_0_VOLT98: R26_VOLT98.1
V_IN_0_VOLT99: R26_VOLT99.1
V_IN_0_VOLT100: R26_VOLT100.1
V_IN_0_VOLT101: R26_VOLT101.1
V_IN_0_VOLT102: R26_VOLT102.1
V_IN_0_VOLT103: R26_VOLT103.1
V_IN_0_VOLT104: R26_VOLT104.1
V_IN_0_VOLT105: R26_VOLT105.1
V_IN_0_VOLT106: R26_VOLT106.1
V_IN_0_VOLT107: R26_VOLT107.1
V_IN_0_VOLT108: R26_VOLT108.1
V_IN_0_VOLT109: R26_VOLT109.1
V_IN_0_VOLT110: R26_VOLT110.1
V_IN_0_VOLT111: R26_VOLT111.1
V_IN_0_VOLT112: R26_VOLT112.1
V_IN_0_VOLT113: R26_VOLT113.1
V_IN_0_VOLT114: R26_VOLT114.1
V_IN_0_VOLT115: R26_VOLT115.1
V_IN_0_VOLT116: R26_VOLT116.1
V_IN_0_VOLT117: R26_VOLT117.1
V_IN_0_VOLT118: R26_VOLT118.1
V_IN_0_VOLT119: R26_VOLT119.1
V_IN_0_VOLT120: R26_VOLT120.1
V_IN_0_VOLT121: R26_VOLT121.1
V_IN_0_VOLT122: R26_VOLT122.1
V_IN_0_VOLT123: R26_VOLT123.1
V_IN_0_VOLT124: R26_VOLT124.1
V_IN_0_VOLT125: R26_VOLT125.1
V_IN_0_VOLT126: R26_VOLT126.1
V_IN_0_VOLT127: R26_VOLT127.1
V_IN_0_VOLT128: R26_VOLT128.1
V_IN_0_VOLT129: R26_VOLT129.1
V_IN_0_VOLT130: R26_VOLT130.1
V_IN_0_VOLT131: R26_VOLT131.1
V_IN_0_VOLT132: R26_VOLT132.1
V_IN_0_VOLT133: R26_VOLT133.1
V_IN_0_VOLT134: R26_VOLT134.1
V_IN_0_VOLT135: R26_VOLT135.1
V_IN_0_VOLT136: R26_VOLT136.1
V_IN_0_VOLT137: R26_VOLT137.1
V_IN_0_VOLT138: R26_VOLT138.1
V_IN_0_VOLT139: R26_VOLT139.1
V_IN_0_VOLT140: R26_VOLT140.1
V_IN_0_VOLT141: R26_VOLT141.1
V_IN_0_VOLT142: R26_VOLT142.1
V_IN_0_VOLT143: R26_VOLT143.1
V_IN_0_VOLT144: R26_VOLT144.1
V_IN_0_VOLT145: R26_VOLT145.1
V_IN_0_VOLT146: R26_VOLT146.1
V_IN_0_VOLT147: R26_VOLT147.1
V_IN_0_VOLT148: R26_VOLT148.1
V_IN_0_VOLT149: R26_VOLT149.1
V_IN_0_VOLT150: R26_VOLT150.1
V_IN_1_VOLT1: R28_VOLT1.1
V_IN_1_VOLT2: R28_VOLT2.1
V_IN_1_VOLT3: R28_VOLT3.1
V_IN_1_VOLT4: R28_VOLT4.1
V_IN_1_VOLT5: R28_VOLT5.1
V_IN_1_VOLT6: R28_VOLT6.1
V_IN_1_VOLT7: R28_VOLT7.1
V_IN_1_VOLT8: R28_VOLT8.1
V_IN_1_VOLT9: R28_VOLT9.1
V_IN_1_VOLT10: R28_VOLT10.1
V_IN_1_VOLT11: R28_VOLT11.1
V_IN_1_VOLT12: R28_VOLT12.1
V_IN_1_VOLT13: R28_VOLT13.1
V_IN_1_VOLT14: R28_VOLT14.1
V_IN_1_VOLT15: R28_VOLT15.1
V_IN_1_VOLT16: R28_VOLT16.1
V_IN_1_VOLT17: R28_VOLT17.1
V_IN_1_VOLT18: R28_VOLT18.1
V_IN_1_VOLT19: R28_VOLT19.1
V_IN_1_VOLT20: R28_VOLT20.1
V_IN_1_VOLT21: R28_VOLT21.1
V_IN_1_VOLT22: R28_VOLT22.1
V_IN_1_VOLT23: R28_VOLT23.1
V_IN_1_VOLT24: R28_VOLT24.1
V_IN_1_VOLT25: R28_VOLT25.1
V_IN_1_VOLT26: R28_VOLT26.1
V_IN_1_VOLT27: R28_VOLT27.1
V_IN_1_VOLT28: R28_VOLT28.1
V_IN_1_VOLT29: R28_VOLT29.1
V_IN_1_VOLT30: R28_VOLT30.1
V_IN_1_VOLT31: R28_VOLT31.1
V_IN_1_VOLT32: R28_VOLT32.1
V_IN_1_VOLT33: R28_VOLT33.1
V_IN_1_VOLT34: R28_VOLT34.1
V_IN_1_VOLT35: R28_VOLT35.1
V_IN_1_VOLT36: R28_VOLT36.1
V_IN_1_VOLT37: R28_VOLT37.1
V_IN_1_VOLT38: R28_VOLT38.1
V_IN_1_VOLT39: R28_VOLT39.1
V_IN_1_VOLT40: R28_VOLT40.1
V_IN_1_VOLT41: R28_VOLT41.1
V_IN_1_VOLT42: R28_VOLT42.1
V_IN_1_VOLT43: R28_VOLT43.1
V_IN_1_VOLT44: R28_VOLT44.1
V_IN_1_VOLT45: R28_VOLT45.1
V_IN_1_VOLT46: R28_VOLT46.1
V_IN_1_VOLT47: R28_VOLT47.1
V_IN_1_VOLT48: R28_VOLT48.1
V_IN_1_VOLT49: R28_VOLT49.1
V_IN_1_VOLT50: R28_VOLT50.1
V_IN_1_VOLT51: R28_VOLT51.1
V_IN_1_VOLT52: R28_VOLT52.1
V_IN_1_VOLT53: R28_VOLT53.1
V_IN_1_VOLT54: R28_VOLT54.1
V_IN_1_VOLT55: R28_VOLT55.1
V_IN_1_VOLT56: R28_VOLT56.1
V_IN_1_VOLT57: R28_VOLT57.1
V_IN_1_VOLT58: R28_VOLT58.1
V_IN_1_VOLT59: R28_VOLT59.1
V_IN_1_VOLT60: R28_VOLT60.1
V_IN_1_VOLT61: R28_VOLT61.1
V_IN_1_VOLT62: R28_VOLT62.1
V_IN_1_VOLT63: R28_VOLT63.1
V_IN_1_VOLT64: R28_VOLT64.1
V_IN_1_VOLT65: R28_VOLT65.1
V_IN_1_VOLT66: R28_VOLT66.1
V_IN_1_VOLT67: R28_VOLT67.1
V_IN_1_VOLT68: R28_VOLT68.1
V_IN_1_VOLT69: R28_VOLT69.1
V_IN_1_VOLT70: R28_VOLT70.1
V_IN_1_VOLT71: R28_VOLT71.1
V_IN_1_VOLT72: R28_VOLT72.1
V_IN_1_VOLT73: R28_VOLT73.1
V_IN_1_VOLT74: R28_VOLT74.1
V_IN_1_VOLT75: R28_VOLT75.1
V_IN_1_VOLT76: R28_VOLT76.1
V_IN_1_VOLT77: R28_VOLT77.1
V_IN_1_VOLT78: R28_VOLT78.1
V_IN_1_VOLT79: R28_VOLT79.1
V_IN_1_VOLT80: R28_VOLT80.1
V_IN_1_VOLT81: R28_VOLT81.1
V_IN_1_VOLT82: R28_VOLT82.1
V_IN_1_VOLT83: R28_VOLT83.1
V_IN_1_VOLT84: R28_VOLT84.1
V_IN_1_VOLT85: R28_VOLT85.1
V_IN_1_VOLT86: R28_VOLT86.1
V_IN_1_VOLT87: R28_VOLT87.1
V_IN_1_VOLT88: R28_VOLT88.1
V_IN_1_VOLT89: R28_VOLT89.1
V_IN_1_VOLT90: R28_VOLT90.1
V_IN_1_VOLT91: R28_VOLT91.1
V_IN_1_VOLT92: R28_VOLT92.1
V_IN_1_VOLT93: R28_VOLT93.1
V_IN_1_VOLT94: R28_VOLT94.1
V_IN_1_VOLT95: R28_VOLT95.1
V_IN_1_VOLT96: R28_VOLT96.1
V_IN_1_VOLT97: R28_VOLT97.1
V_IN_1_VOLT98: R28_VOLT98.1
V_IN_1_VOLT99: R28_VOLT99.1
V_IN_1_VOLT100: R28_VOLT100.1
V_IN_1_VOLT101: R28_VOLT101.1
V_IN_1_VOLT102: R28_VOLT102.1
V_IN_1_VOLT103: R28_VOLT103.1
V_IN_1_VOLT104: R28_VOLT104.1